# Altium PCB NodeMCU1.0.PcbDoc (continued)
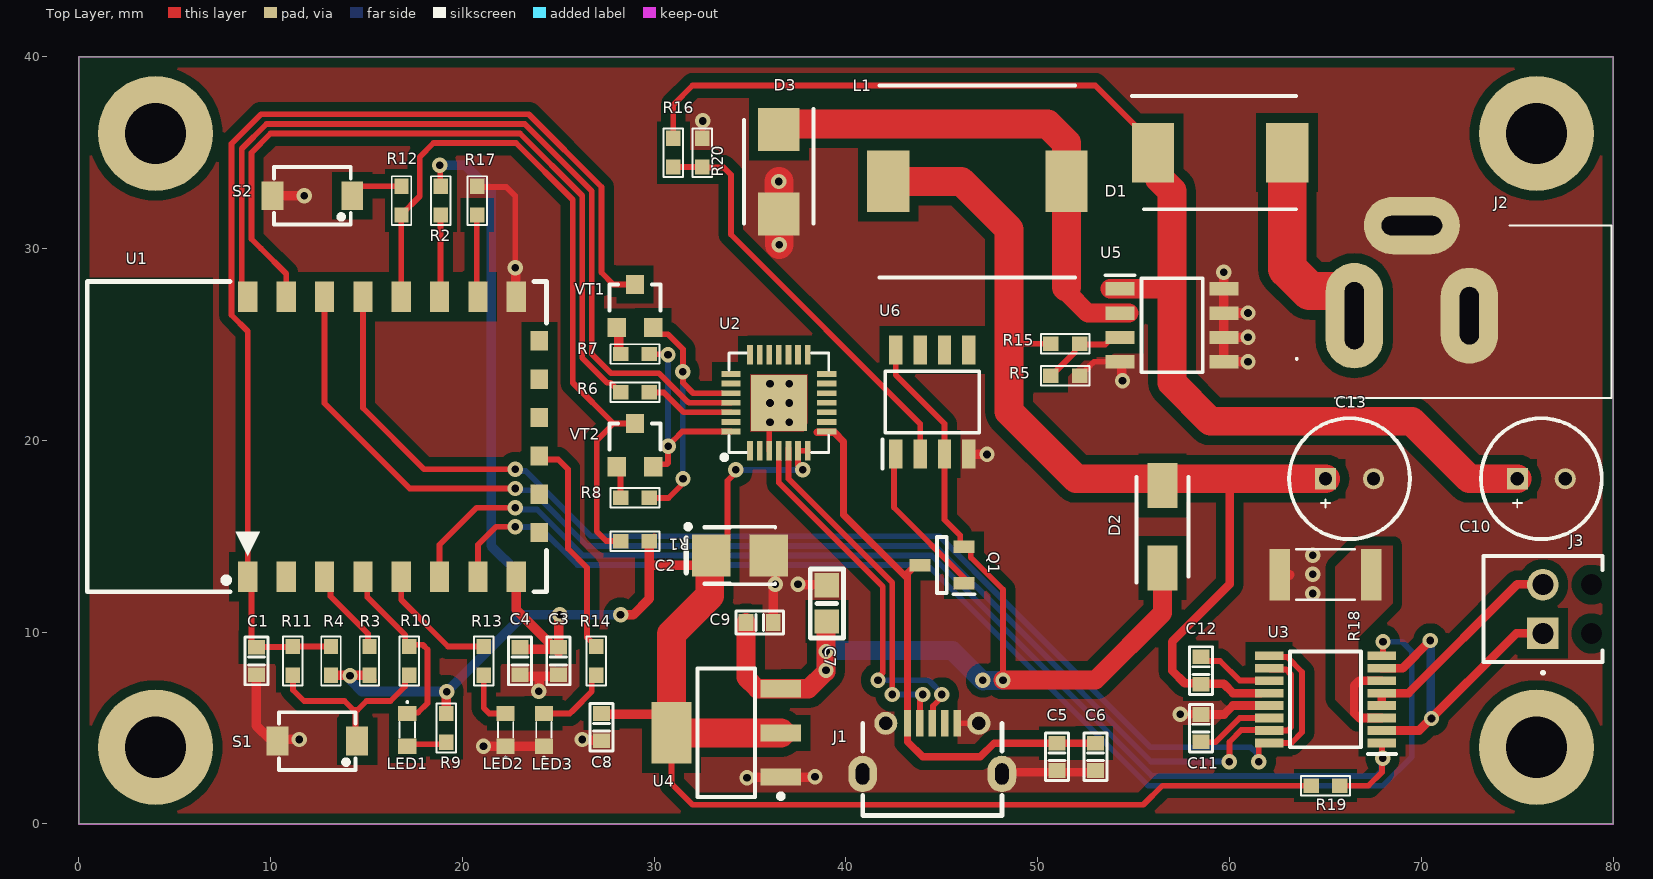
[diagram p0: Top Layer view]
## Footprints (in the part's own frame and the unit in brackets; to place one, negate y for a bottom-side part, rotate by r counter-clockwise, add the part's x,y. Pads: shape width x height; smd on the part's side, far side on the other; paste and mask are expansions set on the pad)
1725656 [mm]
  rect 1.65x1.65 hole 1.1: 1(0,0)
  round 1.65 hole 1.1: 2(2.54,0)
  round 0.55 hole 1.1 unplated: MH1(0,-2.54) MH2(2.54,-2.54)
  silkscreen extent -2.1,-3.1 4.04,3.1, body extent -1.52,-3.1 4.02,3.1, height 8.5
B540C-13-F [mm]
  rect 2.2x3.1 smd: A(3.5,0) K(-3.5,0)
  silkscreen extent -4.6,-2.95 3.97,2.95, body extent -3.97,-2.95 3.97,2.95, height 2.5
CAPPRD250W50D630H1250 [mm]
  rect 1.1x1.1 hole 0.7: 1(0,0)
  round 1.1 hole 0.7: 2(2.5,0)
  silkscreen extent -1.9,-3.15 4.4,3.15, body extent -1.88,-3.15 4.42,3.15, height 12.5
CP2102 [mm] "CP2102"
  rect 1x0.3 smd: 1(-2.5,1.5) 2(-2.5,1) 3(-2.5,0.5) 4(-2.5,0) 5(-2.5,-0.5) 6(-2.5,-1) 7(-2.5,-1.5) 15(2.5,-1.5) 16(2.5,-1) 17(2.5,-0.5) 18(2.5,0) 19(2.5,0.5) 20(2.5,1) 21(2.5,1.5)
  rect 0.3x1 smd: 8(-1.5,-2.5) 9(-1,-2.5) 10(-0.5,-2.5) 11(0,-2.5) 12(0.5,-2.5) 13(1,-2.5) 14(1.5,-2.5) 22(1.5,2.5) 23(1,2.5) 24(0.5,2.5) 25(0,2.5) 26(-0.5,2.5) 27(-1,2.5) 28(-1.5,2.5)
  rect 2.921x2.921 smd paste-3.2: 29(0,0)
  silkscreen extent -2.97,-2.6 2.6,2.97, body extent -2.5,-2.5 2.5,2.5, height 1
DIOM5436X247N [mm]
  rect 2.25x2.15 smd: 1(-2.2,0) 2(2.2,0)
  silkscreen extent -3.27,-1.81 2.7,1.81, body extent -2.7,-1.81 2.7,1.81, height 2.47
DRV8833PW [mm]
  rect 1.475x0.45 smd: 1(-2.938,2.275) 2(-2.938,1.625) 3(-2.938,0.975) 4(-2.938,0.325) 5(-2.938,-0.325) 6(-2.938,-0.975) 7(-2.938,-1.625) 8(-2.938,-2.275) 9(2.938,-2.275) 10(2.938,-1.625) 11(2.938,-0.975) 12(2.938,-0.325) 13(2.938,0.325) 14(2.938,0.975) 15(2.938,1.625) 16(2.938,2.275)
  silkscreen extent -3.67,-2.5 1.85,2.85, body extent -3.2,-2.5 3.2,2.5, height 1.13
ESP_12_E_L [mm] "ESP-12 Wi-Fi Module by AI-Thinker"
  rect 1.6x1 smd: 1(0.7,0) 2(0.7,-2) 3(0.7,-4) 4(0.7,-6) 5(0.7,-8) 6(0.7,-10) 7(0.7,-12) 8(0.7,-14) 15(15.3,-14) 16(15.3,-12) 17(15.3,-10) 18(15.3,-8) 19(15.3,-6) 20(15.3,-4) 21(15.3,-2) 22(15.3,0)
  rect 1x0.9 smd: 9(3,-15.2) 10(5,-15.2) 11(7,-15.2) 12(9,-15.2) 13(11,-15.2) 14(13,-15.2)
  silkscreen extent -0.08,-15.57 16.08,8.37, body extent 0,-15.49 16,8.51, height 2.75
INDPM102100X510N [mm]
  rect 2.2x3.2 smd: 1(-4.65,0) 2(4.65,0)
  silkscreen extent -5.1,-5 5.1,5, body extent -7.01,-6.76 7.18,6.7, height 4.72
LEDC1608X55N [mm]
  rect 0.8x0.95 smd: 1(-0.85,0) 2(0.85,0)
  silkscreen extent -1.5,-0.4 0.4,0.4, body extent -0.8,-0.4 0.8,0.4, height 0.55
LSM0603412V [mm]
  rect 0.8x0.95 smd: 1(-0.85,0) 2(0.85,0)
  silkscreen extent -1.5,-0.4 0.4,0.4, body extent -0.8,-0.4 0.8,0.4, height 0.55
PJ002A [mm]
  oval 3x5.5 hole 1 slot 3.5 at 90 deg: 1(0,0)
  oval 3x5 hole 1 slot 3 at 90 deg: 2(-6,0)
  oval 5x3 hole 1 slot 3.16 at 0 deg: 3(-3,-4.7)
  silkscreen extent -13.4,-4.7 3.05,4.3, body extent -13.42,-4.83 0.98,4.57, height 11.09
RESC5025X65N [mm]
  rect 1.07x2.67 smd: 1(-2.38,0) 2(2.38,0)
  silkscreen extent -1.52,-1.32 1.52,1.32, body extent -2.5,-1.25 2.5,1.25, height 0.65
SMT_C_0603 [mil]
  rect 30x35 smd mask+2: 1(-28,0) 2(28,0)
  silkscreen extent -49,-24 49,24, body extent -31,-16 31,16, height 31
SMT_C_0805 [mil] "Surface mount capacitor 0805"
  rect 50x50 smd: 1(-37,0) 2(37,0)
  silkscreen extent -71,-34 71,34, body extent -49,-24 49,25, height 31
SMT_C_Tantalum_B [mm] "Capacitor, SM Tantalum; Body 3.5 x 2.8 mm (LxW typ)"
  rect 2x2.2 smd: 1(-1.5,0) 2(1.5,0)
  silkscreen extent -2.82,-1.5 1.85,1.62, body extent -1.75,-1.4 1.75,1.4, height 1.9
SMT_R_0603 [mm] "RESISTOR SMD 0603"
  rect 0.8x0.75 smd: 1(-0.75,0) 2(0.75,0)
  silkscreen extent -1.27,-0.51 1.27,0.51, body extent -1,-0.39 1,0.39, height 0.79
SMT_SW_PTS_820 [mm] "SMT Tactile ?Switch PTS 820 Series"
  rect 1.143x1.5 smd: 1(-2.075,0) 2(2.075,0)
  round 0 all layers, no hole paste-2.54 mask-2.54: MH1(0,0.9) MH2(0,-0.9)
  silkscreen extent -2,-1.5 2,1.5, body extent -2.25,-1.55 2.25,1.55, height 2.05
SMT_TRIODE_NPN [mm] "Surface mount NPN transistor, package SOT-23"
  rect 0.95x1 smd: 1(-0.95,-1.125) 2(0.95,-1.125) 3(0,1.125)
  silkscreen extent -1.33,-0.22 1.32,1.13, body extent -1.45,-1.4 1.45,1.4, height 1.3
SOIC127P600X175-8N [mm]
  rect 1.525x0.7 smd: 1(-2.712,1.905) 2(-2.712,0.635) 3(-2.712,-0.635) 4(-2.712,-1.905) 5(2.712,-1.905) 6(2.712,-0.635) 7(2.712,0.635) 8(2.712,1.905)
  silkscreen extent -3.47,-2.45 1.6,2.61, body extent -3,-2.45 3,2.45, height 1.75
SOT95P251X112-3N [mm]
  rect 1.1x0.65 smd: 1(-1.15,0.95) 2(-1.15,-0.95) 3(1.15,0)
  silkscreen extent -1.7,-1.46 0.25,1.53, body extent -1.25,-1.46 1.25,1.46, height 1.12
SOT-223 [mm] "3 LEAD SOT-223 PLASTIC PACKAGE"
  rect 2.1x0.9 smd: 1(2.85,-2.3) 2(2.85,0) 3(2.85,2.3)
  rect 2.1x3.2 smd: 2(-2.85,0)
  silkscreen extent -1.5,-3.42 2.98,3.35, body extent -3.54,-3.25 3.54,3.25, height 1.65
SS14 [mm]
  rect 2.35x1.55 smd: 1(-2.15,0) 2(2.15,0)
  silkscreen extent -2.93,-1.36 2.6,1.36, body extent -2.6,-1.36 2.6,1.36, height 2.7
USB_MICRO_5S_B [mil] "USB Micro SMT 5S B"
  rect 15x54 smd: 1(51,0) 2(25.5,0) 3(0,0) 4(-25.5,0) 5(-51,0)
  oval 59.06x74.8 hole 27.56 slot 43.31 at 90 deg: 6(-143,104) 7(143,104)
  round 47.24 hole 27.5: 8(95.5,0) 9(-95.5,0)
  silkscreen extent -143,0 143,189, body extent -161,-9 161,204, height 105

## Part data
C1 C4 C6 C9: library part "SMT CAP 100nF 50V(0603)", "Multilayer Ceramic Capacitors MLCC - SMD/SMT 50V 100nF X7R 0603 10%", Manufacturer=Yageo, Manufacturer Part Number=CS0603KRX7R9BB104, Supplier Part Number=603-CS0603KRX79BB104, Price=0.1, Supplier=mouser
C2: library part "SMT ECAP 100uF(SMT_C)", "Tantalum Capacitors - Solid SMD 6.3V 100uF 1210 ESR=1.7Ohms 20%", Manufacturer="KYOCERA AVX", Manufacturer Part Number=TAJB107M006RNJ, Supplier Part Number=581-TAJB107M006R, Price=0.47, Supplier=Mouser
C3 C5 C8: library part "SMT CAP 10uF 25V(0603)", "Multilayer Ceramic Capacitors MLCC - SMD/SMT 25 V 10 uF X5R 0603 20%", Manufacturer=YAGEO, Manufacturer Part Number=CC0603MRX5R8BB106, Supplier Part Number=603-CC0603MRX58BB106, Price=0.6, Supplier=Mouser
C7: library part "SMT CAP 10uF 25V(0805)", "Multilayer Ceramic Capacitors MLCC - SMD/SMT 25 V 10 uF X6S 0805 10%", Manufacturer=YAGEO, Manufacturer Part Number=CC0805KKX6S8BB106, Supplier Part Number=603-CC0805KX6S8BB106, Price=0.5, Supplier=Mouser
C10 C13: library part "ECAP 100uF 25V", "Aluminium Electrolytic Capacitors - Radial Leaded 25V 100uF 85C 2k Hour Radial", Manufacturer=Kemet, Manufacturer Part Number=ESK107M025AE3AA, Supplier Part Number=80-ESK107M025AE3AA, Price=0.24, Supplier=mouser
C11: library part "SMT CAP 2.2uF 25V(0603)", "Multilayer Ceramic Capacitors MLCC - SMD/SMT 25 V 2.2 uF X5R 0603 20%", Manufacturer=YAGEO, Manufacturer Part Number=CC0603MRX5R8BB225, Supplier Part Number=603-CC0603MRX58BB225, Price=0.6, Supplier=Mouser
C12: library part "SMT CAP 10nF 50V(0603)", "Multilayer Ceramic Capacitors MLCC - SMD/SMT 50V 10nF X7R 0603 10%", Manufacturer=Yageo, Manufacturer Part Number=CS0603KRX7R9BB103, Supplier Part Number=603-CS0603KRX79BB103, Price=0.1, Supplier=mouser
D1: library part "DIODE 10TQ035", "DIODE SCHOTTKY 40V 5A SMC", Manufacturer=Diodes, Supplier Part Number=621-B540C-F, Manufacturer Part Number=B540C-13-F, Price=0.5, Supplier=Mouser
D2: "Schottky Diodes & Rectifiers SMA 40V 1.0A", Manufacturer="onsemi / Fairchild", Supplier Part Number=512-SS14, Manufacturer Part Number=SS14, Price=0.38, Supplier=Mouser
D3: "Schottky Diodes & Rectifiers 2A, 40V, Schottky Rectifier", Manufacturer="Taiwan Semiconductor", Supplier Part Number=821-SS24, Manufacturer Part Number=SS24, Price=0.38, Supplier=Mouser
J1: "USB micro female SMT with 4 fixed foot", Manufacturer="Wurth Electronics", Manufacturer Part Number=614105150721, Supplier Part Number=710-614105150721, Price=2, Supplier=Mouser
J2: "CONN PWR JACK 2X5.5MM SOLDER", Manufacturer="CUI Devices", Supplier Part Number=490-PJ-002A, Manufacturer Part Number=PJ-002A, Price=0.7, Supplier=Mouser
J3: "PCB terminal block, nominal current: 6 A, rated voltage (III/2): 160 V, nominal cross section: 0.5 mm?, Number of potentials: 2, Number of rows: 1, Number of positions per row: 2, product range: MPT 0,5, pitch: 2.54 mm, connection method: Screw connection with tension sleeve, mounting: Wave soldering, conductor/PCB connection direction: 0 ?, color: green, Pin layout: Linear pinning, Solder pin [P]: 3.5 mm, type of packaging: packed in cardboard", Manufacturer_Name="Phoenix Contact", Mouser Part Number=651-1725656, Datasheet Link=https://www.phoenixcontact.com/online/portal/us/?uri=pxc-oc-itemdetail:pid=1725656&library=usen&pcck=P-11-01-05&tab=1&selectedCategory=ALL, Geometry.Height=8.65mm, Manufacturer_Part_Number=1725656, Mouser Price/Stock=https://www.mouser.co.uk/ProductDetail/Phoenix-Contact/1725656?qs=Ul7CXFMnlWWQeccayYbRmw%3D%3D
L1: library part "INDUCTOR 39uH 2.25A", "Ind,10x10.2x4.8mm,39uH+/-30%,2.25A,shd", Manufacturer_Name=Bourns, Datasheet Link=http://www.bourns.com/docs/Product-Datasheets/SRR1050HA.pdf, Geometry.Height=5.1mm, Manufacturer_Part_Number=SRR1050HA-390Y
LED1 LED3: "Standard LEDs - SMD SMD 0603 2V 100mcd RED", Manufacturer="Visual Communications Company", Supplier Part Number=593-LSM0603412V, Manufacturer Part Number=LSM0603412V, Price=0.4, Supplier=Mouser
LED2: "Standard LEDs - SMD SMD 0603 3V 1000mcd GREEN", Manufacturer="Visual Communications Company", Supplier Part Number=593-LSM0603453V, Manufacturer Part Number=LSM0603453V, Price=0.4, Supplier=Mouser
Q1: library part MOSFET-P, "P-Channel MOSFET", Manufacturer="onsemi / Fairchild", Supplier Part Number=512-FDN304PZ, Manufacturer Part Number=FDN304PZ, Price=0.6, Supplier=Mouser
R1 R2 R3 R4 R16 R17 R19 R20: library part "RES 10K 0.1W 1%", "Thick Film Resistors - SMD 10 kOhms 100mW 0603 1%", Manufacturer=Yageo, Manufacturer Part Number=RC0603FR-0710KL, Supplier Part Number=603-RC0603FR-0710KL, Price=0.1, Supplier=Mouser
R5: library part "RES 3K 0.1W 1%", "Thick Film Resistors - SMD 3 kOhms 100mW 0603 1%", Manufacturer=Yageo, Manufacturer Part Number=RC0603FR-073KL, Supplier Part Number=603-RC0603FR-073KL, Price=0.1, Supplier=Mouser
R6: library part "RES 470 0.1W 1%", "Thick Film Resistors - SMD 470 Ohms 100mW 0603 1%", Manufacturer=Yageo, Manufacturer Part Number=RC0603FR-07470RL, Supplier Part Number=603-RC0603FR-07470RL, Price=0.1, Supplier=Mouser
R7 R8: library part "RES 12K 0.1W 1%", "Thick Film Resistors - SMD 12 kOhms 100mW 0603 1%", Manufacturer=Yageo, Manufacturer Part Number=RC0603FR-0712KL, Supplier Part Number=603-RC0603FR-0712KL, Price=0.1, Supplier=Mouser
R9 R11 R12 R13 R14: library part "RES 470 0.1W 1%", "Thick Film Resistors - SMD 470 Ohms 100mW 0603 1%", Manufacturer=Yageo, Manufacturer Part Number=RC0603FR-07470RL, Supplier Part Number=603-RC0603FR-071KL, Price=0.1, Supplier=Mouser
R10: library part "RES 0 0.1W 1%", "Thick Film Resistors - SMD 0 Ohms 100mW 0603 1%", Manufacturer=Yageo, Manufacturer Part Number=RC0603FR-070RL, Supplier Part Number=603-RC0603FR-070RL, Price=0.1, Supplier=Mouser
R15: library part "RES 11.8K 0.1W 1%", "Thick Film Resistors - SMD 11.8 kOhms 100mW 0603 1%", Manufacturer=Yageo, Manufacturer Part Number=RC0603FR-0711K8L, Supplier Part Number=603-RC0603FR-0711K8L, Price=0.1, Supplier=Mouser
R18: library part "RES 0.2 0.75W 5%", "Current Sense Resistors 200 mOhms 750mW 5 % 600 ppm/C AEC-Q200", Manufacturer=Yageo, Manufacturer Part Number=RL2010JK-070R2L, Supplier Part Number=603-RL2010JK-070R2L, Price=0.65, Supplier=Mouser
S1 S2: library part "SMT SW PTS_820", "SMT Tactile ‎Switch PTS 820 Series", Manufacturer=C&K, Manufacturer Part Number=PTS820J25MSMTRLFS, Supplier Part Number=611-PTS820J25MSMTR, Price=0.4, Supplier=Mouser
U1: "ESP-12 Wi-Fi Module by AI-Thinker", Manufacturer=china, Manufacturer Part Number=ESP-12E, Price=1.46
U2: "USB Interface IC USBXpress - USB to UART Bridge QFN28", Manufacturer="Silicon Labs", Manufacturer Part Number=CP2102N-A02-GQFN28, Supplier Part Number=634-CP2102NA02GQFN28, Price=3.75, Supplier=Mouser
U3: "Motor / Motion / Ignition Controllers & Drivers DRV8833 EVAL MOD", Manufacturer="Texas Instruments", Supplier Part Number=595-DRV8833PW, Manufacturer Part Number=DRV8833PW, Price=2.76, Supplier=Mouser
U4: library part NCP1117, "LDO Voltage Regulators 3.3V 1A Positive", Manufacturer=onsemi, Supplier Part Number=863-NCP1117ST33T3G, Manufacturer Part Number=NCP1117ST33T3G, Price=0.68, Supplier=Mouser
U5: "DiodesZetex, AP1509-50SG-13 DC-DC Converter 2A 8-Pin, SOP", Manufacturer="Diodes Inc.", Supplier Part Number=621-AP1509-50SG-13, Manufacturer Part Number=AP1509-50SG-13, Price=1.2, Supplier=Mouser
U6: "Operational Amplifiers - Op Amps LV R2R DUAL OP AMP", Manufacturer=onsemi, Supplier Part Number=863-LMV358DR2G, Manufacturer Part Number=LMV358DR2G, Price=0.6, Supplier=Mouser
VT1 VT2: library part SMT_TRIODE_NPN, "Bipolar Transistors - BJT 50V NPN SMT", Manufacturer="Diodes Incorporated", Manufacturer Part Number=2DC2412R-7, Supplier Part Number=621-2DC2412R-7, Price=0.4, Supplier=Mouser

## Free pads (board coordinates)
  round 6 hole 3.2 unplated paste-7.62 mask-7.62: 0(4,4) 0(4,36) 0(76,4) 0(76,36)

## Via types
v1: diameter 0.8, hole 0.4, Top Layer to Bottom Layer, tented both sides, 58 vias

## Nets (pads, with @x,y where several pads share a name; then routed paths per layer and width w, separated by ;. In a path a pad name is that pad's centre, name@x,y a point inside that pad or via, vN(x,y) a via of type N, cw(c..) or ccw(c..) an arc to the next point about the centre after c; other vN are vias at no path point)
AIN: U1.19 U3.9 U3.16 | length 68.5
  Top Layer w0.3: U1.19 14.813,21.687 18,18.5 v1(22.75,18.5) ; v1(61.519,3.25) 61.519,4.182 U3.16@61.562,4.225 ; U3.16 63.225,4.225 63.779,4.779 63.779,7.922 63.002,8.7 62.137,8.7 U3.9
  Bottom Layer w0.3: v1(22.75,18.5) 22.846,18.404 23.303,18.404 26.707,15 44.871,15 48.436,11.436 55.871,4 61.096,4 61.423,3.672 61.423,3.346 v1(61.519,3.25)
AOUT: J3.1 U3.2 U3.7 | length 18.1
  Top Layer w0.45: U3.2@67.438,4.875 69.875,4.875 ; U3.7 69.024,8.125 v1(70.466,9.566) ; 69.944,4.944 74.938,9.938 J3.1
  Bottom Layer w0.45: v1(70.466,9.566) 70.494,9.538 70.494,5.531 v1(70.522,5.503)
BIN: U1.20 U3.10 U3.15 | length 68.6
  Top Layer w0.3: U1.20 12.813,21.937 17.26,17.49 v1(22.75,17.49) v1@22.802,17.49 ; v1(59.988,3.25) 59.988,4.281 60.604,4.896 61.541,4.896 U3.15@61.562,4.875 ; U3.15 63.032,4.875 63.208,5.051 63.208,7.787 62.944,8.05 62.137,8.05 U3.10
  Bottom Layer w0.3: v1(22.75,17.49) 22.84,17.4 23.6,17.4 26.5,14.5 44.664,14.5 48.832,10.332 55.908,3.257 v1@59.988,3.257
BOUT: J3.2 U3.4 U3.5 | length 11.4
  Top Layer w0.45: U3.4 U3.5 69.325,6.825 75,12.5 76.311,12.5 J3.2
D_N: J1.2 U2.5 | length 18.2
  Top Layer w0.3: U2.5@37,19.564 37,18.815 37,18 42.415,12.585 v1(42.415,6.75) ; J1.2 43.852,6.467 44,6.615 v1(44,6.75)
  Bottom Layer w0.3: v1(42.415,6.75) v1(44,6.75)
D_P: J1.3 U2.4 | length 19.1
  Top Layer w0.3: 36.5,18.912 36.5,17.793 41.915,12.378 41.915,7.885 41.665,7.635 v1(41.665,7.5) ; J1.3 44.541,5.291 44.541,6.155 45,6.615 v1(45,6.75)
  Bottom Layer w0.3: v1(41.665,7.5) 44.311,7.5 45,6.811 v1(45,6.75)
DTR: R7.2 U2.28 VT2.2 | length 10.7
  Top Layer w0.3: R7.2 29.767,24.487 30.703,24.487 v1(30.72,24.47) ; VT2.2 30.075,18.75 30.651,18.75 30.725,18.824 v1(30.725,19.688) ; 31,20 31.46,20.46 U2.28
  Bottom Layer w0.3: v1(30.72,24.47) 30.722,24.467 30.722,19.691 v1(30.725,19.688)
EN: R3.2 U1.3 | length 4.6
  Top Layer w0.3: U1.3 13.129,12.576 13.129,11.871 15.076,9.924 15.076,9.33 R3.2
FLT: U1.7 U3.8 | length 64.9
  Top Layer w0.3: U1.7 20.813,14.563 21.75,15.5 22.74,15.5 v1(22.75,15.49) ; U3.8 68,8.837 v1(68,9.5)
  Bottom Layer w0.3: v1(22.75,15.49) 24.01,15.49 26,13.5 44.25,13.5 55.75,2 68,2 69.5,3.5 69.5,9 69,9.5 v1(68,9.5)
GND: C1.1 C2.2 C3.1 C4.1 C5.1 C6.1 C7.1 C8.1 C9.2 C10.2 C11.1 C13.2 D3.2 J1.5 J1.6 J1.7 J1.8 J1.9 J2.2 J2.3 LED2.1 LED3.1 R5.1 R17.1 R18.1 R20.1 S1.2 S2.2 U1.15 U2.3 U2.29 U3.13 U4.1 U5.4 U5.5 U5.6 U5.7 U5.8 U6.4 | length 58.7
  Top Layer w0.3: R17.1 20.813,33.212 22.288,33.212 22.75,32.75 v1(22.75,29) ; R20.1 32.519,35.769 32.519,36.636 v1(32.539,36.655) ; U2.3 36,20.912 v1(36.038,20.95) ; J1.5 J1.9 ; R5.1 52.206,23.365 52.701,23.86 52.701,23.873 52.924,24.095 U5.4
  Top Layer w0.45: J1.6 48.222,2.699 52.91,2.699 C6.1 ; v1(57.422,5.718) 57.426,5.715 58.496,5.715 C11.1 ; C11.1@58.61,5.773 58.672,5.711 59.711,5.711 60.175,6.175 U3.13@61.562,6.175
  Top Layer w0.5: C1.1 9.263,5.116 S1.2@9.985,4.394 ; S1.2@10.038,4.823 10.359,4.502 S1.2 10.445,4.408 v1(11.5,4.408) ; S2.2@10.609,32.75 v1(11.75,32.75) ; v1(21.099,4.051) 21.102,4.055 24.246,4.055 LED3.1 ; v1(22.75,29) 22.782,28.968 22.782,27.523 U1.15 ; C4.1@23,7.697 24,7.697 ; v1(23.986,6.924) 24,6.938 24,7.697 ; C3.1@25,7.697 24,7.697 ; v1(26.25,4.408) 26.286,4.372 27.099,4.372 C8.1@27.135,4.408 ; v1(34.837,2.414) 34.86,2.438 38.358,2.438 v1(38.382,2.461) ; C2.2 36.316,13.65 v1(36.316,12.5) 36.316,12.419 36.211,12.314 C9.2 ; v1(37.5,12.5) 37.53,12.47 38.97,12.47 C7.1 ; U6.4 46.425,19.268 v1(47.35,19.268) ; U5.4 54.372,24.011 v1@54.372,23.114 ; v1(59.702,28.772) 59.702,24.105 U5.5 59.714,24.097 60.96,24.097 v1(60.962,24.1) ; U5.6 59.716,25.369 60.958,25.369 v1(60.962,25.374) ; U5.7 59.716,26.639 60.958,26.639 v1(60.962,26.644) ; R18.1@63.06,12.94 R18.1@63.12,13
  Top Layer w1.5: v1(36.5,33.5) 36.5,31.85 36.516,31.834 v1(36.516,30.207)
  other v1: 64.341,12.014 64.341,13.014 64.341,14.014 37.038,20.95 36.038,21.95 37.038,21.95 36.038,22.95 37.038,22.95 54.415,23.114
GPIO0: R1.2 R12.2 U1.18 VT2.3 | length 38
  Top Layer w0.3: U1.18 R12.2@16.813,31.435 ; R12.2 16.825,31.775 17.774,32.724 17.774,34.774 18.5,35.5 22.793,35.5 25.75,32.543 25.75,23 27.875,20.875 ; R1.2 27.5,14.75 27,15.25 27,20 27.875,20.875 ; VT2.3 27.875,20.875
GPIO2: R2.2 U1.17 | length 4.7
  Top Layer w0.3: U1.17@18.5,27.805 U1.17 18.865,27.543 R2.2
GPIO15: R17.2 U1.16 | length 4.3
  Top Layer w0.3: R17.2@20.75,31.75 20.75,27.555 U1.16
GPIO16: LED1.1 R10.2 U1.4 | length 9.9
  Top Layer w0.3: U1.4 15.047,12.658 15.047,11.817 17.016,9.848 17.016,9.464 R10.2 17.23,9.34 17.936,9.34 18.177,9.098 18.177,6.298 17.685,5.806 17.379,5.806 LED1.1@17.129,5.556
LED_GREEN: R14.1 U1.11 | length 11.6
  Top Layer w0.3: U1.11 24.205,19 25,19 25.5,18.5 25.5,14.364 26.5,13.364 26.5,9.724 26.724,9.5 26.749,9.5 26.974,9.275 R14.1
LED_RED: R13.1 U1.5 | length 6.5
  Top Layer w0.3: U1.5 16.813,11.687 19.25,9.25 R13.1
NetC11_2: C11.2 U3.14 | length 3.6
  Top Layer w0.3: C11.2 58.523,4.265 59.265,4.265 60.525,5.525 U3.14@61.562,5.525
NetC12_1: C12.1 U3.11 | length 3.6
  Top Layer w0.3: C12.1 58.711,8.5 59.5,8.5 60.525,7.475 U3.11@61.562,7.475
NetD1_A: D1.A J2.1 | length 11.5
  Top Layer w2: D1.A 63,28.957 64.172,27.786 66.038,27.786 66.5,27.324 J2.1@66.5,26
NetD3_1: D3.1 L1.1 U5.2 | length 27
  Top Layer w1: 51.5,28 51.5,27.746 52.611,26.635 U5.2 U5.2@54.756,26.635
  Top Layer w1.5: D3.1 36.8,36.5 50.5,36.5 51.5,35.5 L1.1 51.5,28
NetLED1_2: LED1.2 R9.1 | length 2.1
  Top Layer w0.3: LED1.2 17.229,4.158 19.062,4.158 R9.1
NetLED2_2: LED2.2 R13.2 | length 2.9
  Top Layer w0.3: R13.2@21.053,7.685 21.115,7.623 21.115,6.044 21.251,5.908 21.4,5.758 LED2.2
NetLED3_2: LED3.2 R14.2 | length 3.8
  Top Layer w0.3: LED3.2 25.6,5.758 25.75,5.908 26.75,6.908 26.75,7.438 R14.2@26.974,7.662
NetQ1_1: Q1.1 U6.1 | length 7.7
  Top Layer w0.3: U6.1@42.5,18.827 42.5,16.5 Q1.1@46.3,12.7
NetR5_2: R5.2 R15.1 U5.3 | length 4.1
  Top Layer w0.3: R5.2 50.706,23.365 51.931,24.59 51.931,24.807 52.156,25.032 R15.1 ; 52.645,25 53.511,25 53.876,25.365 U5.3
NetR6_1: R6.1 U2.26 | length 4.7
  Top Layer w0.3: R6.1 30.5,22.5 31.54,21.46 33.355,21.46 33.452,21.46 U2.26
NetR7_1: R7.1 VT1.1 | length 1.5
  Top Layer w0.5: VT1.1 28.15,25.779 28.15,24.604 R7.1
NetR8_1: R8.1 VT2.1 | length 1.7
  Top Layer w0.3: VT2.1 28.25,18.425 R8.1
NetR10_1: R10.1 R11.1 S1.1 | length 10.1
  Top Layer w0.3: R11.1@11.167,7.873 11.167,6.992 11.75,6.408 13.849,6.408 14.319,5.938 14.526,5.938 14.996,6.408 16.25,6.408 17.005,7.163 17.005,7.615 R10.1@17.23,7.84 ; 14.434,5.823 14.434,4.398 S1.1
  Top Layer w0.5: R11.1@11.167,7.873 R11.1@11.263,7.776
NetR12_1: R12.1 S2.1 | length 2.8
  Top Layer w0.3: S2.1 14.259,32.828 14.681,33.25 R12.1
NetR16_1: R16.1 R20.2 U6.2 | length 21.8
  Top Layer w0.3: R16.1 R20.2 32.522,34.228 33.624,34.228 34,33.852 34,30.735 43.865,20.87 U6.2
NetR18_2: R18.2 U3.3 U3.6 | length 4.5
  Top Layer w0.45: U3.3 66.764,5.525 66.5,5.789 66.5,7.211 66.764,7.475 U3.6
NRST: C1.2 R4.2 R11.2 U1.1 VT1.3 | length 58.7
  Top Layer w0.3: C1.2 9.231,9.211 9,9.442 9,12.705 U1.1 8.813,25.687 7.963,26.537 7.963,35.463 9.5,37 23.457,37 27.25,33.207 27.25,33 27.25,28.75 27.871,28.129 VT1.3 ; C1.2@9.273,9.221 9.282,9.231 11.044,9.231 R11.2@11.106,9.293 ; R11.2 R4.2
  Top Layer w0.5: R11.2@11.106,9.293 R11.2
RTS: R8.2 U2.24 VT1.2 | length 13.9
  Top Layer w0.3: R8.2 30.75,17 31.404,17.654 31.404,17.904 v1(31.5,18) ; VT1.2 29.95,25.854 30.275,25.529 30.721,25.529 31.5,24.75 31.5,23.571 31.5,23 32.04,22.46 33.5,22.46
  Bottom Layer w0.3: v1(31.488,23.571) 31.494,23.565 31.494,18.006 v1(31.5,18)
RXD0: R6.2 U1.21 | length 38.5
  Top Layer w0.3: U1.21 10.813,28.687 9.5,30 9,30.5 9,35 10,36 23,36 26.25,32.75 26.25,24.293 26.771,23.771 27.543,23 27.725,23 28.225,22.5 R6.2
SLP: R19.1 U1.6 U3.1 | length 62.1
  Top Layer w0.3: U1.6 18.813,14.563 20.74,16.49 v1(22.75,16.49) ; R19.1 67.238,2 67.938,2.7 U3.1
  Bottom Layer w0.3: v1(22.75,16.49) 22.84,16.4 23.893,16.4 26.293,14 44.457,14 55.957,2.5 67.63,2.5 67.9,2.77 67.9,3.343 v1(67.977,3.42)
TXD0: U1.22 U2.25 | length 44.9
  Top Layer w0.3: U1.22 8.5,27.805 8.5,35.207 9.793,36.5 10,36.5 23.25,36.5 26.75,33 26.75,24.5 27.75,23.5 30.25,23.5 31.714,22.036 ccw(c31.913,22.26) 31.763,22 31.833,21.96 U2.25
VDD3V3: C2.1 C3.2 C4.2 C8.2 R1.1 R2.1 R3.1 R4.1 R9.2 R19.2 U1.8 U2.6 U2.7 U4.2 | length 130.3
  Top Layer w0.3: R3.1 15.156,7.725 R3.1@15.381,7.5 ; v1(18.821,34.337) 18.843,34.316 18.843,33.272 R2.1 ; C4.2@22.936,9.119 C4.2@23,9.119 ; R1.1 29.775,14.75 30,14.975 R1.1@30,15 ; U4.2@30.9,4.75 30.9,2.1 32,1 55.5,1 56.5,2 R19.2 ; C2.1 33.816,14.85 33.816,17.891 34.25,18.325 v1(34.25,18.46) ; v1@37.5,18.71 U2.6 U2.7
  Top Layer w0.5: R4.1 R3.1 ; R9.2 19.17,5.766 19.17,6.882 v1(19.177,6.889) ; U1.8 22.816,12.889 22.816,11.163 C3.2@24.859,9.119 ; C4.2@23,9.119 C3.2@24.859,9.119 ; C3.2@25.034,8.944 C3.2@24.859,9.119 ; v1@25.034,10.91 25.034,9.154 25,9.119 C3.2@24.859,9.119 ; C8.2@27.116,5.732 30.1,5.732 30.9,4.932 U4.2@30.9,4.75 ; v1(28.248,10.91) 28.91,10.91 29.75,11.75 29.75,14.725 R1.1@29.775,14.75 ; 30,13.5 C2.1@32.9,13.5
  Top Layer w1.5: U4.2@30.9,4.75 U4.2@36.6,4.75 ; U4.2@30.9,4.932 30.9,9.9 32.9,11.9 32.9,13.5 32.9,13.934 C2.1
  Bottom Layer w0.3: v1(34.25,18.46) v1(37.75,18.46)
  Bottom Layer w0.5: v1@14.218,7.545 14.218,7.441 14.75,6.908 19.158,6.908 v1(19.177,6.889) 22.819,10.531 ; v1(18.821,34.337) 20.163,34.337 21.5,33 21.5,14.5 22.819,13.181 22.819,10.531 ; v1@28.25,10.908 v1(28.248,10.91) 25.073,10.91 v1(25.071,10.912) 23.201,10.912 22.819,10.531
  other v1: 14.14,7.736
VDD5V: C7.2 C9.1 D2.1 Q1.2 U4.3 U6.3 U6.8 | length 53
  Top Layer w0.3: U6.8 42.595,23.405 45.135,20.865 U6.3 45.135,18.876 45.135,15.865 45.951,15.049 45.951,14.625 45.998,14.577 Q1.2@46.198,14.577 ; Q1.2 46.335,14.45 46.51,14.275 46.51,13.898 48.184,12.224 48.184,7.5 v1(48.184,7.488)
  Top Layer w1: C9.1 34.789,7.636 35.375,7.05 U4.3 38.05,7.05 v1@38.94,7.94 ; v1(38.954,8.021) v1(38.954,8.996) 38.954,10.515 C7.2 ; v1@48.184,7.5 53,7.5 56.5,11 D2.1 D2.1@56.5,13.525
  Bottom Layer w1: v1(38.954,8.021) v1(38.954,8.996) ; v1@38.954,9.039 45.556,9.039 v1@47.137,7.458 ; v1(47.137,7.488) v1(48.184,7.488)
VDDUSB: C5.2 C6.2 J1.1 Q1.3 U2.8 | length 30.1
  Top Layer w0.38: U2.8@38.5,20.42 39.385,20.42 39.873,19.933 39.873,16.127 43.205,12.795 ; Q1.3 43.625,13.5 43.205,13.08 43.205,12.795 ; C6.2 C5.2 47.711,4.211 47,3.5 44,3.5 43.205,4.295 J1.1 43.205,12.795
VIN: C10.1 D1.K R16.2 U5.1 | length 63.7
  Top Layer w0.3: R16.2 31,37.5 32,38.5 53,38.5 D1.K@55.5,36
  Top Layer w1: U5.1@53.78,27.905 U5.1 56.714,27.905 56.755,27.864
  Top Layer w1.5: D1.K@56,35.5 56.35,35.15 56.35,33.65 57,33 57,23 59,21 69.5,21 72.5,18 C10.1
VMM(6V): C12.2 C13.1 D2.2 L1.2 R15.2 U3.12 | length 54.1
  Top Layer w0.3: 48,25.5 48.468,25.032 48.5,25.032 R15.2 ; U3.12@61.562,6.825 U3.12@61.637,6.75
  Top Layer w0.45: 60,18 60,12.5 57,9.5 57,8 57.666,7.334 58.454,7.334 C12.2 58.519,7.308 59.692,7.308 60.175,6.825 U3.12@61.562,6.825
  Top Layer w1.5: L1.2 46,33.5 48.5,31 48.5,25.032 48.5,24.5 48.5,21.5 52,18 55.5,18 56.5,18 60,18 C13.1
pads on no net: J1.4 J3.MH1 J3.MH2 S1.MH1 S1.MH2 S2.MH1 S2.MH2 U1.2 U1.9 U1.10 U1.12 U1.13 U1.14 U2.1 U2.2 U2.9 U2.10 U2.11 U2.12 U2.13 U2.14 U2.15 U2.16 U2.17 U2.18 U2.19 U2.20 U2.21 U2.22 U2.23 U2.27 U6.5 U6.6 U6.7

## Polygon pours and split planes (outlines as drawn)
no net on Top Overlay "GND_L04_P-001" (solid, remove dead copper, shelved): 81.699,-22.636 78.899,-25.436 78.899,-30.836 81.699,-33.636 87.299,-33.636 90.099,-30.836 90.099,-25.436 87.299,-22.636
GND on Top Layer "GND_L01_P063" (solid, remove dead copper, pour order 63): 0,40 0,0 80,0 80,40
NetR18_2 on Top Layer "NETR18_2_L01_P062" (solid, remove dead copper, pour order 62): 66.439,5.545 65.5,6.484 65.5,13.407 66.593,14.5 68.5,14.5 68.5,11.5 66.719,9.719 66.719,5.549
GND on Bottom Layer "GND_L04_P064" (solid, remove dead copper, pour order 64): -0.244,40.061 -0.244,0.061 79.756,0.061 79.756,40.061

## Keep-outs
Keep-Out Layer:
  the board outline again, w0.1

## Other copper
Multi-Layer:
  pour cut-out: 0,28.5 7,28.5 7,12 0,12

## Dimensions
80,0 to 80,40 on Top Overlay

## Text inside footprints (layer, text, board x,y; h text height)
U1: 3D Top "CUTOUT POLYGON" at 1.498,13.69 h0.25 r90; 3D Top "ANTENNA AREA" at 0.99,13.69 h0.25 r90